# Altium PCB spd150.PcbDoc (part 12 of 16) (continued)
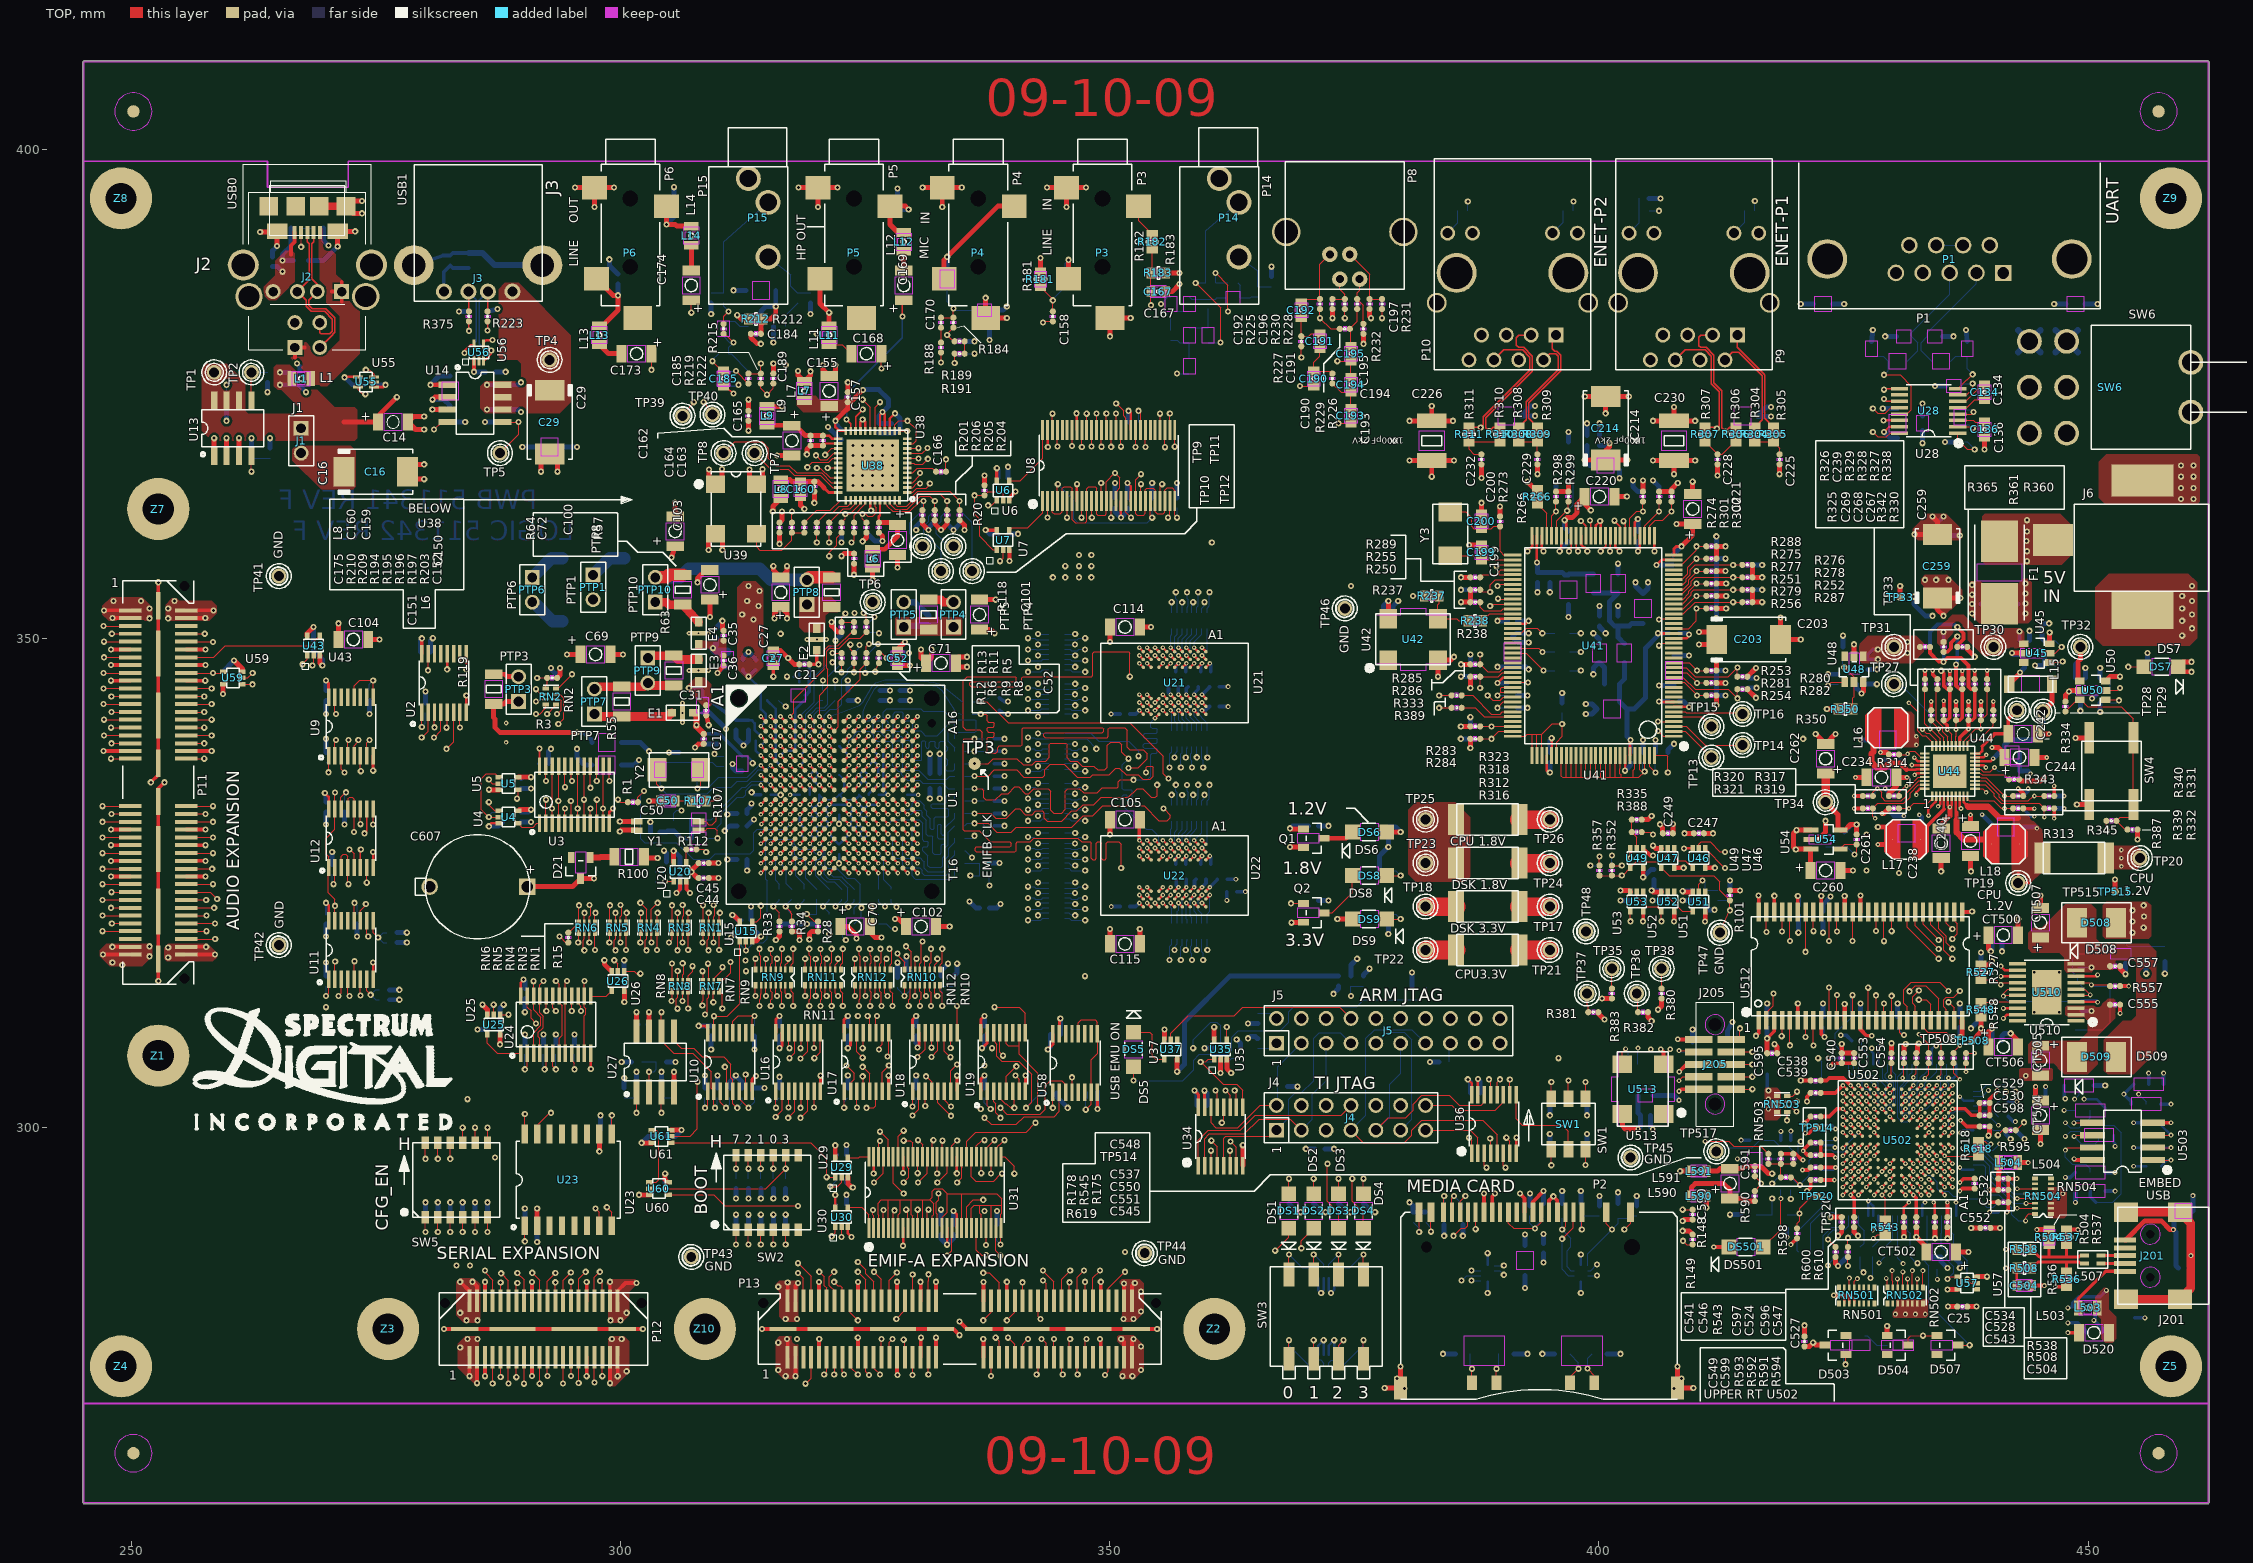
[diagram p0: TOP view]
## Nets (pads, with @x,y where several pads share a name; then routed paths per layer and width w, separated by ;. In a path a pad name is that pad's centre, name@x,y a point inside that pad or via, vN(x,y) a via of type N, cw(c..) or ccw(c..) an arc to the next point about the centre after c; other vN are vias at no path point) (continued)
  BOTTOM w0.127: R176.1@365.125,311.658 366.522,311.658 J5.2@367.03,311.15
N21732775: J5.1 R177.1 | length 2.1
  BOTTOM w0.127: R177.1@365.125,308.102 366.522,308.102 J5.1@367.03,308.61
N21789895: R21.2 U8.4 U8.23 | length 17.2
  TOP w0.127: U8.4@344.637,364.033 344.637,365.719 v1(344.678,365.76) ; U8.23@354.134,364.033 354.134,362.527 v1(354.33,362.331)
  BOTTOM w0.127: v1(344.678,365.76) 346.329,364.109 346.329,362.204 346.71,361.823 353.822,361.823 v1(354.33,362.331) R21.2@354.33,363.347
N22368085: C159.1 C160.1 L8.1 U38.36 | length 6.4
  TOP w0.305: 320.802,365.379 321.264,364.917 U38.36@322.224,364.917
  TOP w0.508: L8.1@316.357,366.217 317.297,366.217 317.5,366.014 C160.1@318.389,366.014 C159.1@319.786,366.014 320.167,366.014 320.802,365.379
N22369565: C162.1 C163.1 C164.1 L9.1 U38.25 | length 7.8
  TOP w0.279: C163.1@320.675,370.713 321.31,370.713 321.61,370.413 U38.25@322.224,370.413
  TOP w0.508: L9.1@314.96,371.78 317.449,371.78 C162.1@317.5,371.729 317.881,371.729 318.897,370.713 C164.1@319.405,370.713 C163.1@320.675,370.713
N34863621: L13.2 P6.2 R192.1 | length 8.1
  TOP w0.508: P6.2@297.51,386.753 297.523,386.753 299.212,385.064 v1(299.72,385.064) 299.72,383.54 298.145,381.965 L13.2@297.815,381.965
  BOTTOM w0.508: v1(299.72,385.064) R192.1@299.72,386.207
N34863623: C173.2 L13.1 | length 2.7
  TOP w0.508: L13.1@297.815,380.035 298.755,379.095 C173.2@300.101,379.095
N34863643: C174.2 L14.1 | length 2.6
  TOP w0.508: C174.2@307.213,387.604 L14.1@307.213,390.195
N34877889: C168.2 L11.1 | length 2.7
  TOP w0.127: L11.1@321.31,380.035 322.656,380.035 C168.2@323.596,379.095
N34877903: C169.2 L12.1 | length 2
  TOP w0.508: C169.2@328.93,387.604 L12.1@328.93,389.56
N34879314: L12.2 P5.3 R186.1 | length 6.8
  TOP w0.508: L12.2@328.93,391.49 328.346,391.49 327.533,392.303 P5.3@327.533,394.17 329.095,394.17 v1(329.438,393.827)
  BOTTOM w0.508: R186.1@328.295,393.827 v1(329.438,393.827)
N34879340: L11.2 P5.2 R185.1 | length 6.3
  TOP w0.508: P5.2@320.37,386.753 320.37,384.226 v1(321.31,383.286) L11.2@321.31,381.965
  BOTTOM w0.508: R185.1@321.31,382.143 v1(321.31,383.286)
N34884668: C150.1 C152.1 L6.2 U38.44 | length 8.6
  TOP w0.254: C152.1@326.39,361.823 326.39,362.471 326.504,362.585 U38.44@326.504,364.134
  TOP w0.508: L6.2@325.755,359.105 326.974,359.105 328.295,360.426 C150.1@328.295,361.569 328.041,361.823 C152.1@326.39,361.823
N34901850: C158.1 C161.1 R180.2 R181.1 | length 6.8
  TOP w0.127: R181.1@342.9,385.953 344.17,384.683 v1(344.17,384.556) C158.1@344.17,383.413
  BOTTOM w0.127: C161.1@342.9,385.953 v1@344.17,384.683 ; v1(344.17,384.556) v1@344.17,384.683 ; R180.2@345.44,385.953 v1@344.17,384.683
N34901866: C158.2 U38.3 | length 26.1
  TOP w0.127: U38.3@329.286,365.915 329.847,365.915 330.581,366.649 v1(330.581,366.903) ; v1(343.154,382.27) 343.281,382.397 C158.2@344.17,382.397
  LYR3-SIG w0.127: v1(330.581,366.903) 329.819,366.903 328.93,367.792 328.93,369.443 341.757,382.27 v1(343.154,382.27)
N34902718: C166.1 C167.1 R182.2 R183.1 | length 34.5
  TOP w0.127: C166.1@333.248,367.03 v1(333.248,368.3) ; v1(354.203,384.048) C167.1@354.203,385.445 R183.1@354.203,387.35 354.33,387.477 R182.2@354.33,389.763
  LYR3-SIG w0.127: v1(333.248,368.3) 333.375,368.3 349.123,384.048 v1(354.203,384.048)
N34902945: C166.2 U38.5 | length 3.3
  TOP w0.127: U38.5@329.286,366.916 329.832,366.916 330.327,367.411 331.851,367.411 C166.2@332.232,367.03
N34912845: C172.1 R184.2 R189.1 | length 3.1
  TOP w0.127: R184.2@334.01,381.762 333.375,381.127 v1(333.375,381) 334.01,380.365 R189.1@334.137,380.365
  BOTTOM w0.127: v1(333.375,381) 334.01,380.365 C172.1@334.137,380.365
N34912877: R189.2 R191.1 | length 1.3
  TOP w0.127: R191.1@335.153,379.095 R189.2@335.153,380.365
N34913123: C170.2 R188.1 | length 1.5
  TOP w0.127: R188.1@332.74,380.238 C170.2@332.74,381.762
N167545211: DS1.2 R144.2 | length 3.1
  TOP w0.127: DS1.2@368.3,293.218 v1(368.3,294.767)
  BOTTOM w0.127: R144.2@368.3,293.243 v1(368.3,294.767)
N167545370: DS3.2 R146.2 | length 3.1
  TOP w0.127: DS3.2@373.38,293.218 v1(373.38,294.767)
  BOTTOM w0.127: R146.2@373.38,293.243 v1(373.38,294.767)
N167545530: DS4.2 R147.2 | length 3.1
  TOP w0.127: DS4.2@375.92,293.218 v1(375.92,294.767)
  BOTTOM w0.127: R147.2@375.92,293.243 v1(375.92,294.767)
N167546730: DS2.2 R145.2 | length 3.1
  TOP w0.127: DS2.2@370.84,293.218 v1(370.84,294.767)
  BOTTOM w0.127: R145.2@370.84,293.243 v1(370.84,294.767)
ODEMU0N: TP518.1 U511.75 | length 6.4
  BOTTOM w0.102: 422.783,291.338 423.926,291.338 424.307,290.957 U511.75@424.525,290.957
  BOTTOM w0.127: TP518.1@421.64,287.274 421.64,290.195 422.783,291.338
ODEMU1N: TP519.1 U511.74 | length 5.1
  BOTTOM w0.127: TP519.1@422.91,287.274 422.91,288.925 423.799,289.814 424.645,289.814 425.026,290.195 U511.74@425.026,290.957
ON_BD_OFF_BD: R384.1 SW5.9 U19.14 U59.1 | length 136.2
  TOP w0.127: U59.1@261.341,345.298 v1(262.367,345.298) ; SW5.9@283.845,298.45 v1(283.845,299.974) ; U19.14@338.115,309.692 338.115,308.864 338.455,308.524 338.455,307.269 338.582,307.142 338.582,307.129 338.879,306.832 338.892,306.832 338.963,306.761 340.685,306.761 342.011,305.435 342.011,302.6 v1(341.417,302.006)
  LYR4-SIG w0.127: v1(262.367,345.298) 264.384,343.281 274.955,343.281 275.844,342.392 275.844,334.264 282.067,328.041 282.067,309.372 283.083,308.356 283.083,300.736 v1(283.845,299.974)
  LYR7-SIG w0.127: v1(283.845,299.974) 284.734,299.085 303.276,299.085 304.165,298.196 319.786,298.196 321.945,300.355 339.766,300.355 v1(341.417,302.006)
  BOTTOM w0.127: v1(341.417,302.006) 342.941,303.53 R384.1@343.535,303.53
ON_BD_USB_DRV: R62.2 U14.4 U19.4 U19.6 | length 137.3
  TOP w0.127: v1(280.924,371.348) 281.686,372.11 U14.4@282.321,372.11 ; U19.4@338.765,303.718 338.765,302.966 339.288,302.443 339.415,302.443 339.852,302.006 v1(340.233,302.006) 340.233,302.768 340.065,302.936 U19.6@340.065,303.718
  LYR4-SIG w0.127: v1(280.924,371.348) 276.606,367.03 276.606,335.28 282.829,329.057 282.829,310.896 284.353,309.372 v1(284.353,302.895)
  LYR7-SIG w0.127: v1(284.353,302.895) 339.344,302.895 v1(340.233,302.006)
  BOTTOM w0.127: v1(280.924,371.348) 281.686,372.11 R62.2@282.067,372.11
ON_BD_USB_OVC: R61.2 TP5.1 U14.5 U19.10 U19.12 | length 157.5
  TOP w0.127: TP5.1@287.655,368.935 289.56,370.84 v1(289.56,372.11) U14.5@287.909,372.11 ; U19.12@339.415,309.692 339.415,308.539 339.598,308.356 340.716,308.356 ; U19.10@340.716,309.692 340.716,308.356 ; v1(342.646,302.006) 342.646,305.562 340.716,307.492 340.716,308.356
  LYR4-SIG w0.127: v1(287.147,296.926) 287.147,307.086 286.258,307.975 286.258,310.769 283.591,313.436 283.591,331.216 277.241,337.566 277.241,358.521 TP5.1@287.655,368.935
  LYR7-SIG w0.127: v1(287.147,296.926) 339.979,296.926 341.249,298.196 341.249,300.609 v1(342.646,302.006)
  BOTTOM w0.127: R61.2@288.163,372.11 v1(289.56,372.11)
P1ANEN: R261.2 R278.1 U41.30 | length 8.9
  TOP w0.127: U41.30@407.645,354.505 408.48,354.505 409.448,355.473 409.448,355.854 409.829,356.235 v1(413.715,356.235) R278.1@414.655,356.235
  BOTTOM w0.127: v1(413.715,356.235) R261.2@414.655,356.235
P1DPX: R259.2 R276.1 U41.32 | length 9.2
  TOP w0.127: U41.32@407.645,355.506 408.592,355.506 408.94,355.854 408.94,356.108 409.321,356.489 409.321,356.997 409.829,357.505 v1(413.715,357.505) R276.1@414.655,357.505
  BOTTOM w0.127: v1(413.715,357.505) R259.2@414.655,357.505
P1FFC: R258.2 R275.1 U41.33 | length 5.6
  TOP w0.127: U41.33@407.645,356.006 408.457,356.006 409.067,356.616 409.067,357.251 v1(409.956,358.14) R275.1@410.972,358.14
  BOTTOM w0.127: v1(409.956,358.14) R258.2@410.972,358.14
P1LED2: P9.10 R235.1 | length 2.7
  BOTTOM w0.127: P9.10@413.791,391.414 414.909,392.532 R235.1@414.909,393.7
P1LED3: P9.12 R233.2 R234.1 | length 4
  BOTTOM w0.127: P9.12@403.073,391.414 404.114,392.455 R234.1@404.114,393.7 R233.2@404.114,394.97
P1SPD: R260.2 R277.1 U41.31 | length 5.4
  TOP w0.127: U41.31@407.645,355.006 408.6,355.006 409.194,355.6 409.194,355.981 409.956,356.743 v1(409.956,356.87) R277.1@410.972,356.87
  BOTTOM w0.127: v1(409.956,356.87) R260.2@410.972,356.87
P2ANEN: R265.2 R282.1 U41.13 | length 9.3
  TOP w0.127: U41.13@407.645,345.996 408.638,345.996 409.829,344.805 413.207,344.805 v1(414.147,343.865) R282.1@414.147,344.805
  BOTTOM w0.127: v1(414.147,343.865) R265.2@414.147,344.805
P2DPX: R263.2 R280.1 U41.15 | length 9.2
  TOP w0.127: U41.15@407.645,346.997 408.907,346.997 409.829,346.075 413.207,346.075 v1(414.147,347.015) R280.1@414.147,346.075
  BOTTOM w0.127: R263.2@414.147,346.075 v1(414.147,347.015)
P2FFC: R246.2 R253.1 U41.16 | length 4.6
  TOP w0.127: U41.16@407.645,347.497 409.245,347.497 v1(410.032,346.71) R253.1@410.972,346.71
  BOTTOM w0.127: v1(410.032,346.71) R246.2@410.972,346.71
P2LED2: P10.10 R240.1 | length 2.7
  BOTTOM w0.127: P10.10@395.249,391.414 396.367,392.532 R240.1@396.367,393.7
P2LED3: P10.12 R239.1 | length 2.7
  BOTTOM w0.127: P10.12@384.531,391.414 385.572,392.455 R239.1@385.572,393.7
P2MDIX: R244.2 R251.1 U41.29 | length 5.2
  TOP w0.127: U41.29@407.645,354.005 408.615,354.005 409.194,354.584 409.194,354.838 v1(409.956,355.6) R251.1@410.972,355.6
  BOTTOM w0.127: v1(409.956,355.6) R244.2@410.972,355.6
P2MDIXDIS: R245.2 R252.1 U41.28 | length 8.7
  TOP w0.127: U41.28@407.645,353.505 408.495,353.505 409.448,354.457 409.448,354.711 409.702,354.965 v1(413.715,354.965) R252.1@414.655,354.965
  BOTTOM w0.127: v1(413.715,354.965) R245.2@414.655,354.965
P2SPD: R264.2 R281.1 U41.14 | length 4.7
  TOP w0.127: U41.14@407.645,346.497 408.976,346.497 v1(410.032,345.44) R281.1@410.972,345.44
  BOTTOM w0.127: v1(410.032,345.44) R264.2@410.972,345.44
PB_RESET: R334.1 R345.1 R387.2 SW4.B SW4.B1 U50.3 | length 21.6
  TOP w0.127: R334.1@447.675,342.519 448.884,343.728 U50.3@449.148,343.728 449.26,343.728 449.961,343.027 453.39,343.027 454.635,341.782 SW4.B1@454.635,339.827 SW4.B@454.635,333.019 454.635,331.953 454.406,331.724 453.263,331.724 R345.1@452.882,331.343 453.771,330.454 R387.2@454.025,330.454
PONRSINN: R619.1 R620.1 U511.85 | length 6.9
  TOP w0.127: R619.1@419.608,294.894 419.771,294.894 v1(420.533,294.132)
  BOTTOM w0.127: R620.1@419.608,294.894 420.37,294.132 v1(420.533,294.132) 421.513,295.112 421.513,296.672 422.044,297.203 U511.85@422.783,297.203
PONRSNIN: R178.1 R358.1 | length 41.4
  TOP w0.127: v3(410.845,298.577) 413.258,298.577 413.766,298.069 416.56,298.069 R178.1@417.322,297.307
  LYR8-SIG w0.127: v1(399.11,326.771) 399.11,321.488 404.838,315.76 404.838,306.108 407.708,303.238 408.374,303.238 410.845,300.766 v3(410.845,298.577)
  BOTTOM w0.127: v1(399.11,326.771) R358.1@400.05,326.771
PU_USB: R538.1 U502.C1 | length 11.7
  TOP w0.254: U502.C1@435.732,295.102 v2(436.131,294.701) ; v4(441.579,287.528) R538.1@442.722,287.528
  LYR4-SIG w0.102: v2(436.131,294.701) 436.486,294.345 436.486,294.221 436.715,293.992 437.655,293.992 438.277,293.37
  LYR4-SIG w0.127: 438.277,293.37 438.912,292.735 438.912,290.195 v4(441.579,287.528)
PUTMS: R614.2 U511.7 | length 2.7
  BOTTOM w0.127: R614.2@426.847,308.864 426.847,308.102 427.528,307.421 U511.7@427.528,306.451
READY: R616.2 U502.H1 U511.32 | length 8
  TOP w0.254: U502.H1@435.732,299.105 v2(436.131,299.504)
  BOTTOM w0.102: v2(436.131,299.504) 435.737,299.898 435.737,301.269 435.966,301.498 436.283,301.498 436.491,301.706 U511.32@438.277,301.706
  BOTTOM w0.127: U511.32@438.277,301.706 440.228,301.706 R616.2@440.817,301.117
RMII_CRS_DV: R5.2 U1.A7 | length 12.6
  TOP w0.102: v2(320.327,342.016) 320.327,342.519
  TOP w0.127: 320.327,342.519 320.327,344.203 321.183,345.059 321.183,346.837 321.056,346.964 321.056,348.666 321.386,348.996 322.326,348.996 323.342,350.012 324.485,350.012 R5.2@325.12,350.647
  TOP w0.254: v2(320.327,342.016) U1.A7@320.827,341.516
RMII_MDIO_CLK: R14.2 U1.A6 | length 8
  TOP w0.254: v2(319.326,342.016) U1.A6@319.827,341.516
  BOTTOM w0.102: v2(319.326,342.016) 319.326,342.186 319.659,342.519
  BOTTOM w0.127: 319.659,342.519 320.04,342.9 320.802,342.9 321.183,343.281 321.183,346.075 R14.2@322.58,347.472
RMII_MDIO_D: R12.2 U1.B6 | length 8.5
  TOP w0.127: v1(322.58,346.532) R12.2@322.58,347.472
  TOP w0.254: v2(319.326,341.015) U1.B6@319.827,340.515
  LYR4-SIG w0.102: v2(319.326,341.015) 319.913,341.602 319.913,342.392
  LYR4-SIG w0.127: 319.913,342.392 319.913,342.773 322.58,345.44 v1(322.58,346.532)
RMII_MHZ_50: R11.2 U1.A4 | length 12.7
  TOP w0.127: v2(317.325,342.016) 317.69,342.382 317.69,343.726 320.802,346.837 320.802,348.793 321.259,349.25 322.199,349.25 323.596,350.647 R11.2@323.85,350.647
  TOP w0.254: v2(317.325,342.016) U1.A4@317.825,341.516
RMII_RXD[0]: R6.2 U1.B7 | length 8.7
  TOP w0.127: v1(323.85,346.532) R6.2@323.85,347.472
  TOP w0.254: v2(320.327,341.015) U1.B7@320.827,340.515
  LYR4-SIG w0.102: v2(320.327,341.015) 320.441,341.015 320.802,341.376 320.802,342.519
  LYR4-SIG w0.127: 320.802,342.519 323.85,345.567 v1(323.85,346.532)
RMII_RXD[1]: R7.2 U1.C7 | length 10
  TOP w0.254: v2(320.327,340.015) U1.C7@320.827,339.514
  BOTTOM w0.102: v2(320.327,340.015) 320.327,340.393 320.802,340.868 320.802,342.138 321.183,342.519
  BOTTOM w0.127: 321.183,342.519 321.437,342.773 322.072,342.773 322.58,343.281 322.58,345.796 323.215,346.431 323.215,346.837 R7.2@323.85,347.472
RMII_RXER: R4.2 U1.D7 | length 16.7
  TOP w0.254: v2(320.327,339.014) U1.D7@320.827,338.513
  LYR4-SIG w0.102: v2(320.327,339.014) 320.802,339.489 320.802,340.233 321.056,340.487 321.437,340.487 322.326,341.376 322.326,342.519
  LYR4-SIG w0.127: 322.326,342.519 322.326,343.662 324.485,345.821 324.485,346.71 326.898,349.123 326.898,350.012 v1(326.39,350.52)
  BOTTOM w0.127: R4.2@325.12,350.647 326.136,350.647 326.263,350.52 v1(326.39,350.52)
RMII_TXD[0]: R9.2 U1.B8 | length 9
  TOP w0.102: U1.B8@321.828,340.515 322.25,340.937 322.25,342.443
  TOP w0.127: 322.25,342.443 322.25,343.586 324.485,345.821 324.485,346.837 R9.2@325.12,347.472
  TOP w0.254: v2(321.328,341.015) U1.B8@321.828,340.515
RMII_TXD[1]: R10.2 U1.C8 | length 9.8
  TOP w0.254: v2(321.328,340.015) U1.C8@321.828,339.514
  LYR4-SIG w0.102: v2(321.328,340.015) 321.473,340.015 322.58,341.122 322.58,342.519
  LYR4-SIG w0.127: 322.58,342.519 322.58,343.408 324.993,345.821 v1(324.993,346.456)
  BOTTOM w0.127: v1(324.993,346.456) R10.2@325.12,347.472
RMII_TXEN: R8.2 U1.D8 | length 11.2
  TOP w0.127: v1(326.009,346.583) R8.2@326.39,347.472
  TOP w0.254: v2(321.328,339.014) U1.D8@321.828,338.513
  LYR4-SIG w0.102: v2(321.328,339.014) 322.834,340.52 322.834,342.519
  LYR4-SIG w0.127: 322.834,342.519 322.834,343.281 326.009,346.456 v1(326.009,346.583)
ROM_SPI0_CLK: R133.1 U23.16 U24.2 | length 9.9
  TOP w0.127: U23.16@290.195,299.339 v1(290.195,301.371) ; v1(290.195,305.943) 290.449,306.197 290.449,307.589 U24.2@290.444,307.594
  LYR4-SIG w0.127: v1(290.195,301.371) v1(290.195,305.943)
  BOTTOM w0.127: v1(290.195,305.943) R133.1@290.195,307.467
ROM_SPI0_CS0: R136.1 U23.7 U24.9 | length 20.3
  TOP w0.127: U24.9@294.996,307.594 294.996,306.857 295.275,306.578 v1(295.275,305.943) ; v1(297.434,291.719) 297.815,291.338 U23.7@297.815,289.941
  LYR4-SIG w0.127: v1(295.275,305.943) 295.275,293.878 v1(297.434,291.719)
  BOTTOM w0.127: v1(295.275,305.943) R136.1@295.275,307.467
ROM_SPI0_SIMO: R135.1 U23.15 U24.6 | length 10.8
  TOP w0.127: U23.15@291.465,299.339 291.465,300.228 292.735,301.498 v1(292.862,301.498) ; U24.6@293.045,307.594 293.045,306.268 v1(293.37,305.943)
  LYR4-SIG w0.127: v1(292.862,301.498) 293.37,302.006 v1(293.37,305.943)
  BOTTOM w0.127: v1(293.37,305.943) R135.1@293.37,307.467
ROM_SPI0_SOMI: R134.1 U23.8 U24.5 | length 24.1
  TOP w0.127: v1(292.227,305.943) 292.395,306.111 U24.5@292.395,307.594 ; v1(298.577,291.846) 299.085,291.338 U23.8@299.085,289.941
  LYR4-SIG w0.127: v1(292.227,305.943) 292.227,295.91 297.053,291.084 297.815,291.084 v1(298.577,291.846)
  BOTTOM w0.127: R134.1@292.1,307.467 292.1,306.07 v1(292.227,305.943)
RTCINX1: RN501.14 U502.A12 | length 10.8
  TOP w0.127: RN501.14@425.592,283.642 v3(425.592,284.607)
  TOP w0.254: v2(426.527,293.101) U502.A12@426.928,293.502
  LYR4-SIG w0.102: v2(426.527,293.101) 426.527,291.658 426.974,291.211 426.974,290.957
  LYR4-SIG w0.127: v3(425.592,284.607) 425.958,284.973 425.958,287.528 426.974,288.544 426.974,290.957
RXM1: P9.6 R307.2 U41.46 | length 31.5
  TOP w0.132: v1(401.574,362.026) 401.574,362.001 402.168,361.406 U41.46@402.168,360.477 ; P9.6@407.797,378.46 408.813,379.476 410.845,379.476 411.48,378.841 411.48,376.034 412.305,375.209 412.305,371.716 v1(412.039,371.45) 411.886,371.602 R307.2@410.845,371.602
  LYR4-SIG w0.132: v1(401.574,362.026) 401.602,362.026 401.937,362.361 401.937,362.928 402.775,363.766 404.277,363.766 406.527,366.017 406.527,367.566 408.78,369.819 411.124,369.819 412.242,370.937 412.242,371.221 412.039,371.424 v1(412.039,371.45)
RXM2: P10.6 R311.2 U41.52 | length 35.3
  TOP w0.132: R311.2@386.715,371.602 387.858,371.602 v1(387.909,371.551) 388.175,371.818 388.175,372.636 392.938,377.398 392.938,378.734 392.196,379.476 390.271,379.476 P10.6@389.255,378.46 ; v1(399.085,362.052) 399.164,361.973 U41.52@399.164,360.477
  LYR4-SIG w0.132: v1(387.909,371.551) 388.361,371.551 388.772,371.963 394.947,371.963 396.24,370.67 396.24,368.92 398.64,366.519 398.64,362.852 398.78,362.712 398.78,362.356 v1(399.085,362.052)
RXP1: P9.3 R306.2 U41.45 | length 31.6
  TOP w0.132: v1(402.514,361.975) 402.669,361.82 U41.45@402.669,360.477 ; P9.3@411.607,381 410.413,381 410.21,380.797 410.21,379.933 410.413,379.73 410.952,379.73 411.734,378.948 411.734,376.141 412.559,375.315 412.559,371.513 v1(412.928,371.145) 413.385,371.602 R306.2@414.02,371.602
  LYR4-SIG w0.132: v1(402.514,361.975) 402.425,361.975 402.196,362.204 402.196,362.826 402.882,363.512 404.383,363.512 406.781,365.91 406.781,367.459 408.887,369.565 411.231,369.565 412.496,370.83 412.496,370.891 412.75,371.145 v1(412.928,371.145)
RXP2: P10.3 R310.2 U41.53 | length 35.2
  TOP w0.132: R310.2@389.89,371.602 389.204,371.602 v1(388.772,371.17) 388.429,371.513 388.429,372.529 393.192,377.292 393.192,378.841 392.303,379.73 391.795,379.73 391.541,379.984 391.541,380.746 391.795,381 P10.3@393.065,381 ; v1(398.145,362.001) 398.663,361.483 U41.53@398.663,360.477
  LYR4-SIG w0.132: v1(388.772,371.17) 388.772,371.462 389.019,371.709 394.84,371.709 395.986,370.563 395.986,368.813 398.386,366.413 398.386,362.745 398.485,362.646 398.485,362.204 398.282,362.001 v1(398.145,362.001)
S0_A1: JP509.2 U503.2 | length 2.9
  TOP w0.127: U503.2@456.603,297.942 v3(458.47,297.942)
  BOTTOM w0.254: JP509.2@457.454,297.942 v3(458.47,297.942)
SCK_SCL: JP506.2 U503.6 | length 5.4
  TOP w0.127: v3(448.564,299.085) 448.691,299.212 U503.6@450.431,299.212
  BOTTOM w0.127: v3(448.564,299.085) 448.564,299.075 449.316,298.323 450.723,298.323 451.104,298.704 JP506.2@451.104,299.212
SCL: JP506.3 RN503.5 U502.H14 | length 34.9
  TOP w0.127: v1(419.227,300.736) 419.24,300.749 RN503.5@419.24,301.564
  TOP w0.254: v2(424.927,299.504) U502.H14@425.328,299.105
  LYR3-SIG w0.102: 422.783,299.339 424.762,299.339 v2(424.927,299.504)
  LYR3-SIG w0.127: v1(419.227,300.736) 420.091,299.872 422.25,299.872 422.783,299.339
  LYR7-SIG w0.102: v2(424.927,299.504) 425.031,299.504 425.704,298.831 428.244,298.831 430.367,296.708 438.277,296.708
  LYR7-SIG w0.127: 438.277,296.708 440.525,296.708 441.325,297.508 446.098,297.508 v3(447.675,299.085)
  BOTTOM w0.127: v3(447.675,299.085) 448.226,299.636 449.156,299.636 JP506.3@449.58,299.212
SDA: JP507.3 RN503.6 U502.H13 | length 34.3
  TOP w0.127: RN503.6@419.24,302.138 419.603,302.138 420.116,301.625 v1(420.192,301.625)
  TOP w0.254: v2(425.727,299.504) U502.H13@426.128,299.105
  LYR3-SIG w0.102: 422.783,300.355 424.307,300.355 424.764,299.898 425.333,299.898 v2(425.727,299.504) 425.793,299.504 426.466,298.831 426.956,298.831 427.733,298.054 427.733,297.736 427.975,297.495 431.226,297.495 432.229,298.498 437.944,298.498 438.277,298.831
  LYR3-SIG w0.127: v1(420.192,301.625) 420.751,301.625 422.021,300.355 422.783,300.355 ; 438.277,298.831 439.166,299.72 441.071,299.72 441.452,300.101 441.452,300.863 442.341,301.752 v3(447.548,301.752)
  BOTTOM w0.127: v3(447.548,301.752) JP507.3@448.691,301.752
SDCAS: R593.1 U512.17 | length 8.9
  TOP w0.127: U512.17@429.12,310.947 v1(429.12,312.661) ; v2(432.689,309.524) 433.705,308.508 R593.1@433.705,307.594
  LYR3-SIG w0.127: v1(429.12,312.661) 429.387,312.395 429.387,312.377 431.048,310.716 431.048,310.713 432.237,309.524 v2(432.689,309.524)
SDRAMCEN: R595.2 R613.1 U512.19 | length 22.3
  TOP w0.127: U512.19@430.72,310.947 430.72,309.682 430.954,309.448 v1(431.168,309.448) ; R595.2@442.595,299.72 442.646,299.72 v1(443.459,300.533)
  LYR7-SIG w0.102: 434.038,306.578 438.277,306.578
  LYR7-SIG w0.127: v1(431.168,309.448) 432.181,308.435 432.181,307.848 433.451,306.578 434.038,306.578 ; 438.277,306.578 440.563,306.578 443.459,303.682 v1(443.459,300.533)
  BOTTOM w0.127: R613.1@430.53,310.261 430.53,310.109 431.168,309.471 v1(431.168,309.448)
SDRAS: R594.1 U512.18 | length 14.8
  TOP w0.127: U512.18@429.92,310.947 v1(429.92,313.461) ; R594.1@437.515,307.594 v2(438.404,307.594)
  LYR3-SIG w0.127: v1(429.92,313.461) 429.92,312.565 432.224,310.261 434.086,310.261 436.753,307.594 v2(438.404,307.594)
SDWE: R592.1 U512.16 | length 12.9
  TOP w0.127: U512.16@428.32,310.947 v1(428.32,313.512) ; v2(434.467,309.245) 434.975,308.737 R592.1@434.975,307.594
  LYR3-SIG w0.127: v1(428.32,313.512) 428.32,312.743 430.601,310.462 430.914,310.462 432.283,309.093 434.315,309.093 v2(434.467,309.245)
SEL_ENETN_MCASP0: P11.8 R20.1 SW5.12 U6.2 U7.1 | length 165.2
  TOP w0.127: P11.8@255.6,350.469 v1(257.48,350.469) ; v1(280.035,296.799) SW5.12@280.035,298.45 ; U7.1@338.44,359.054 338.049,359.054 336.677,360.426 336.677,362.179 336.169,362.687 v1(336.169,364.617) R20.1@337.185,364.617 337.566,364.998 338.836,364.998 339.09,364.744 U6.2@339.09,364.134
  LYR4-SIG w0.127: v1(257.48,350.469) 258.75,350.469 259.969,349.25 259.969,343.154 270.002,333.121 273.431,333.121 276.479,330.073 276.479,310.434 280.035,306.878 v1(280.035,296.799)
  LYR7-SIG w0.127: v1(257.48,350.469) 272.644,365.633 321.691,365.633 322.707,364.617 v1(336.169,364.617)
SEL_EXP2_QEP0: P12.25 R137.1 U25.2 U26.1 | length 75.6
  TOP w0.127: U25.2@287.02,311.506 v1(287.02,312.547) ; v1(294.107,273.837) P12.25@294.107,276.53 ; U26.1@300.37,315.951 301.396,315.951 301.625,315.722 v1(302.006,315.722)
  LYR4-SIG w0.127: v1(287.02,312.547) 287.02,308.102 287.782,307.34 287.782,289.052 291.465,285.369 291.465,283.591 285.496,277.622 285.496,274.447 286.639,273.304 293.573,273.304 v1(294.107,273.837)
  LYR7-SIG w0.127: v1(287.02,312.547) 287.02,313.055 288.29,314.325 300.609,314.325 v1(302.006,315.722)
  BOTTOM w0.127: R137.1@286.385,311.023 286.385,311.912 v1(287.02,312.547)
SEL_EXP2_QEP1: P12.26 R18.1 U2.1 | length 73.1
  TOP w0.127: v1(279.664,340.929) U2.1@279.664,342.453 ; P12.26@294.107,282.27 294.107,284.378 v1(294.894,285.166)
  LYR4-SIG w0.127: v1(279.664,340.929) 280.416,340.177 280.416,339.641 280.713,339.344 282.278,339.344 285.75,335.872 285.75,335.534 286.233,335.051 286.741,335.051 288.29,333.502 288.29,322.707 295.656,315.341 295.656,314.706 297.498,312.864 297.498,305.498 298.45,304.546 298.45,294.259 299.085,293.624 299.085,289.357 v1(294.894,285.166)
  BOTTOM w0.127: v1(279.664,340.929) 280.035,341.3 R18.1@280.035,342.392
SEL_EXP2_TIMER: P12.35 R47.1 SW5.11 U10.1 | length 69.4
  TOP w0.127: v1(281.305,296.799) SW5.11@281.305,298.45 ; v1(298.12,274.574) P12.35@298.12,276.53 ; v1(308.61,302.006) 308.62,302.006 308.874,302.26 U10.1@308.874,303.718
  LYR4-SIG w0.127: v1(298.12,274.574) 302.438,278.892 302.471,278.892 305.069,281.49 305.069,297.576 308.61,301.117 v1(308.61,302.006)
  LYR7-SIG w0.127: v1(281.305,296.799) 281.305,299.466 283.972,302.133 299.72,302.133 299.847,302.006 v1(308.61,302.006)
  BOTTOM w0.127: v1(308.61,302.006) R47.1@308.61,303.022
SEL_EXP2_UART1: P12.34 R46.1 SW5.10 U9.1 | length 74.2
  TOP w0.127: v1(270.139,336.306) U9.1@270.139,338.008 ; v1(282.575,296.799) SW5.10@282.575,298.45 ; P12.34@297.307,282.27 297.307,284.683 v1(297.866,285.242)
  LYR4-SIG w0.127: v1(270.139,336.306) 271.419,335.026 272.288,335.026 277.114,330.2 277.114,316.357 278.13,315.341 278.13,309.651 280.746,307.035 280.746,298.628 v1(282.575,296.799)
  LYR8-SIG w0.127: v1(282.575,296.799) 285.75,293.624 291.719,293.624 297.866,287.477 v1(297.866,285.242)
  BOTTOM w0.127: R46.1@269.875,337.312 270.139,337.048 v1(270.139,336.306)
SEL_SPI1_EXP1: P11.73 R51.1 U12.14 | length 40.4
  TOP w0.127: v1(247.015,320.065) P11.73@249.86,320.065 ; U12.14@271.44,332.552 271.399,332.593 271.399,333.756 v1(271.907,334.264)
  LYR8-SIG w0.127: v1(247.015,320.065) 248.666,320.065 252.222,323.621 252.222,329.946 255.651,333.375 271.145,333.375 271.907,334.137 v1(271.907,334.264)
  BOTTOM w0.127: R51.1@271.78,333.248 271.78,334.137 v1(271.907,334.264)
SEL_SPI1_EXP2: P12.20 R50.1 U12.2 | length 63.5
  TOP w0.127: v1(270.637,324.866) 270.789,325.018 U12.2@270.789,326.578 ; v1(290.957,285.14) 291.719,284.378 P12.20@291.719,282.27
  LYR3-SIG w0.127: v1(269.875,312.293) 269.24,312.928 269.24,323.469 v1(270.637,324.866)
  LYR4-SIG w0.127: v1(269.875,312.293) 269.875,295.94 282.989,282.826 289.049,282.826 290.322,284.099 290.322,284.505 v1(290.957,285.14)
  BOTTOM w0.127: R50.1@270.51,325.882 270.51,324.993 v1(270.637,324.866)
SEL_SPI1_EXP2_B: P12.33 R49.1 U11.1 | length 60.5
  TOP w0.127: v1(269.875,313.436) 270.139,313.7 U11.1@270.139,315.148 ; v1(297.307,273.939) P12.33@297.307,276.53
  LYR8-SIG w0.127: v1(269.875,313.436) 269.24,312.801 269.24,296.926 284.226,281.94 286.004,281.94 291.465,276.479 295.91,276.479 297.307,275.082 v1(297.307,273.939)
  BOTTOM w0.127: v1(269.875,313.436) R49.1@269.875,314.452
SIN_SDA: JP507.2 U503.5 | length 4.5
  TOP w0.127: v3(448.551,300.462) 448.572,300.482 U503.5@450.431,300.482
  BOTTOM w0.127: v3(448.551,300.462) 448.826,300.736 449.961,300.736 450.215,300.99 JP507.2@450.215,301.752
SPI0_SCSN: R24.2 R27.1 R28.1 U24.8 U24.17 | length 44.3
  TOP w0.127: U24.8@294.345,307.594 U24.17@294.345,313.436 294.345,314.792 v1(294.513,314.96) ; v1(319.024,321.818) 319.786,321.056 R28.1@320.167,321.056
  LYR8-SIG w0.127: v1(294.513,314.96) 295.021,315.468 296.545,315.468 300.99,311.023 306.829,311.023 307.655,311.849 307.655,312.588 309.138,314.071 310.388,314.071 312.252,315.935 312.252,318.254 314.165,320.167 317.373,320.167 v1(319.024,321.818)
  BOTTOM w0.127: v1(319.024,321.818) R24.2@320.04,321.818 R27.1@320.04,323.342
SPI1_SIMO: R37.2 R38.1 RN8.8 U11.7 | length 41.4
  TOP w0.127: U11.7@274.041,315.148 274.041,313.969 v1(274.447,313.563) ; v1(306.893,312.166) RN8.8@306.893,313.931
  LYR7-SIG w0.127: v1(274.447,313.563) 276.225,311.785 287.02,311.785 287.528,312.293 287.528,312.801 288.671,313.944 306.07,313.944 306.893,313.121 v1(306.893,312.166)
  BOTTOM w0.127: R37.2@275.336,313.055 274.955,313.055 v1(274.447,313.563) 274.955,314.071 R38.1@275.336,314.071
SPI1_SOMI: R35.2 R36.1 RN8.7 U11.9 | length 40.6
  TOP w0.127: U11.9@274.691,321.122 274.691,319.923 v1(275.209,319.405) ; v1(306.319,312.933) RN8.7@306.319,313.931
  LYR8-SIG w0.127: v1(275.209,319.405) 278.638,315.976 299.974,315.976 302.641,313.309 303.784,313.309 305.46,311.633 306.045,311.633 306.319,311.907 v1(306.319,312.933)
  BOTTOM w0.127: R35.2@276.098,318.897 275.717,318.897 v1(275.209,319.405) 275.717,319.913 R36.1@276.098,319.913
SPI_HOLD: R131.2 U23.1 | length 2.9
  TOP w0.127: v1(290.195,288.366) U23.1@290.195,289.941
  BOTTOM w0.127: v1(290.195,288.366) R131.2@290.195,289.687
SPI_WP: R132.2 U23.9 | length 3.5
  TOP w0.127: U23.9@299.085,299.339 v1(299.085,301.244)
  BOTTOM w0.127: R132.2@298.958,299.72 298.958,301.117 v1(299.085,301.244)

## Text inside footprints (layer, text, board x,y; h text height)
C238: PIN_NUMBER "1" at 434.569,330.581 h1.02 r270; PIN_NUMBER "2" at 434.569,327.533 h1.02 r270; Top Overlay "+" at 435.102,332.105 h0.89 r270; ASSEMBLY_TOP "10uF" at 434.594,329.946 h1.02 r270; ASSEMBLY_TOP "X" at 434.594,329.057 h1.02 r270; ASSEMBLY_TOP "X" at 434.594,328.041 h1.02 r270; ASSEMBLY_TOP "+" at 434.594,331.978 h1.02 r270; SYMB_DIM "PAD 40X70OV" at 424.79,326.263 h1.02 r270; SYMB_DIM "SM  48X78" at 423.697,327.533 h1.02 r270; SYMB_DIM "SP  40X70OV" at 420.98,326.263 h1.02 r270; SYMB_DIM "C1206-40X70" at 435.712,326.517 h1.02 r270; SYMB_DIM "0" at 431.165,329.692 h1.02 r270; SYMB_DIM "0" at 434.34,333.502 h1.02 r270
C239: PIN_NUMBER "1" at 434.391,344.805 h0.51 r90; PIN_NUMBER "2" at 434.391,345.821 h0.51 r90; ASSEMBLY_TOP "0.001uF" at 434.594,345.313 h0.64 r90; ASSEMBLY_TOP "TOLERANCE" at 437.134,345.313 h0.64 r90; ASSEMBLY_TOP "USERPART#" at 438.404,345.313 h0.64 r90; SYMBOL_PART_DIM "PAD 35X32 OV" at 439.369,342.189 h0.64 r90; SYMBOL_PART_DIM "C402-35X32" at 438.099,342.189 h0.64 r90; SYMBOL_PART_DIM "0" at 436.728,345.11 h0.64 r90; SYMBOL_PART_DIM "0" at 434.924,342.976 h0.64 r90
C240: PIN_NUMBER "1" at 437.566,330.81 h1.02 r270; PIN_NUMBER "2" at 437.566,327.762 h1.02 r270; Top Overlay "+" at 436.753,332.105 h0.89 r270; ASSEMBLY_TOP "10uF" at 437.591,330.175 h1.02 r270; ASSEMBLY_TOP "X" at 437.591,329.286 h1.02 r270; ASSEMBLY_TOP "X" at 437.591,328.27 h1.02 r270; ASSEMBLY_TOP "+" at 437.591,332.207 h1.02 r270; SYMB_DIM "PAD 40X70OV" at 427.787,326.492 h1.02 r270; SYMB_DIM "SM  48X78" at 426.695,327.762 h1.02 r270; SYMB_DIM "SP  40X70OV" at 423.977,326.492 h1.02 r270; SYMB_DIM "C1206-40X70" at 438.709,326.746 h1.02 r270; SYMB_DIM "0" at 434.162,329.921 h1.02 r270; SYMB_DIM "0" at 437.337,333.731 h1.02 r270
C241: PIN_NUMBER "1" at 442.697,330.708 h1.02; PIN_NUMBER "2" at 439.649,330.708 h1.02; SYMB_DIM "PAD 40X70OV" at 434.315,324.993 h1.02; SYMB_DIM "SM  48X78" at 436.397,323.088 h1.02; SYMB_DIM "SP  40X70OV" at 434.315,321.183 h1.02; SYMB_DIM "C1206-40X70" at 434.569,335.915 h1.02; SYMB_DIM "0" at 442.214,326.898 h1.02; SYMB_DIM "0" at 446.024,330.073 h1.02; ASSEMBLY_BOTTOM "22uF" at 442.468,330.327 h1.02; ASSEMBLY_BOTTOM "X" at 441.579,330.327 h1.02; ASSEMBLY_BOTTOM "X" at 440.563,330.327 h1.02
C242: PIN_NUMBER "1" at 441.427,340.233 h1.02; PIN_NUMBER "2" at 444.475,340.233 h1.02; ASSEMBLY_TOP "22uF" at 442.468,339.852 h1.02; ASSEMBLY_TOP "X" at 443.357,339.852 h1.02; ASSEMBLY_TOP "X" at 444.373,339.852 h1.02; SYMB_DIM "PAD 40X70OV" at 441.681,334.518 h1.02; SYMB_DIM "SM  48X78" at 441.223,332.613 h1.02; SYMB_DIM "SP  40X70OV" at 441.681,330.708 h1.02; SYMB_DIM "C1206-40X70" at 441.427,345.44 h1.02; SYMB_DIM "0" at 442.722,336.423 h1.02; SYMB_DIM "0" at 438.912,339.598 h1.02
C243: PIN_NUMBER "1" at 441.173,338.582 h0.51 r180; PIN_NUMBER "2" at 442.697,338.582 h0.51 r180; SYMB_DIM "PAD 35X45OV" at 438.15,343.408 h1.02 r180; SYMB_DIM "SM  43X53OV" at 438.15,345.313 h1.02 r180; SYMB_DIM "SP  35X45OV" at 438.15,347.091 h1.02 r180; SYMB_DIM "C603-35X45" at 438.404,334.518 h1.02 r180; SYMB_DIM "0" at 441.706,341.757 h1.02 r180; SYMB_DIM "0" at 438.658,338.836 h1.02 r180; ASSEMBLY_BOTTOM "2.2uF" at 441.706,338.709 h1.02 r180; ASSEMBLY_BOTTOM "X" at 442.595,338.709 h1.02 r180; ASSEMBLY_BOTTOM "X" at 443.484,338.582 h1.02 r180
C244: PIN_NUMBER "1" at 441.046,337.82 h1.02; PIN_NUMBER "2" at 444.094,337.82 h1.02; Top Overlay "+" at 441.071,336.042 h0.89; ASSEMBLY_TOP "10uF" at 442.087,337.439 h1.02; ASSEMBLY_TOP "X" at 442.976,337.439 h1.02; ASSEMBLY_TOP "X" at 443.992,337.439 h1.02; ASSEMBLY_TOP "+" at 440.055,337.439 h1.02; SYMB_DIM "PAD 40X70OV" at 441.3,332.105 h1.02; SYMB_DIM "SM  48X78" at 440.842,330.2 h1.02; SYMB_DIM "SP  40X70OV" at 441.3,328.295 h1.02; SYMB_DIM "C1206-40X70" at 441.046,343.027 h1.02; SYMB_DIM "0" at 442.341,334.01 h1.02; SYMB_DIM "0" at 438.531,337.185 h1.02
C245: PIN_NUMBER "1" at 441.173,336.677 h0.51 r180; PIN_NUMBER "2" at 442.697,336.677 h0.51 r180; SYMB_DIM "PAD 35X45OV" at 438.15,341.503 h1.02 r180; SYMB_DIM "SM  43X53OV" at 438.15,343.408 h1.02 r180; SYMB_DIM "SP  35X45OV" at 438.15,345.186 h1.02 r180; SYMB_DIM "C603-35X45" at 438.404,332.613 h1.02 r180; SYMB_DIM "0" at 441.706,339.852 h1.02 r180; SYMB_DIM "0" at 438.658,336.931 h1.02 r180; ASSEMBLY_BOTTOM "2.2uF" at 441.706,336.804 h1.02 r180; ASSEMBLY_BOTTOM "X" at 442.595,336.804 h1.02 r180; ASSEMBLY_BOTTOM "X" at 443.484,336.677 h1.02 r180
C246: PIN_NUMBER "1" at 443.281,347.345 h0.51 r270; PIN_NUMBER "2" at 443.281,348.361 h0.51 r270; ASSEMBLY_BOTTOM "0.1uF" at 443.484,347.853 h0.64 r270; ASSEMBLY_BOTTOM "TOLERANCE" at 440.944,347.853 h0.64 r270; ASSEMBLY_BOTTOM "USERPART#" at 439.674,347.853 h0.64 r270; SYMBOL_PART_DIM "PAD 35X32 OV" at 438.709,344.729 h0.64 r270; SYMBOL_PART_DIM "C402-35X32" at 439.979,344.729 h0.64 r270; SYMBOL_PART_DIM "0" at 441.35,347.65 h0.64 r270; SYMBOL_PART_DIM "0" at 443.154,345.516 h0.64 r270
C247: PIN_NUMBER "1" at 410.515,330.073 h0.51 r180; PIN_NUMBER "2" at 409.499,330.073 h0.51 r180; ASSEMBLY_TOP "0.1uF" at 410.21,330.073 h0.64 r180; ASSEMBLY_TOP "TOLERANCE" at 410.21,332.613 h0.64 r180; ASSEMBLY_TOP "USERPART#" at 410.21,333.883 h0.64 r180; SYMBOL_PART_DIM "PAD 35X32 OV" at 413.334,334.848 h0.64 r180; SYMBOL_PART_DIM "C402-35X32" at 413.334,333.578 h0.64 r180; SYMBOL_PART_DIM "0" at 410.413,332.207 h0.64 r180; SYMBOL_PART_DIM "0" at 412.547,330.403 h0.64 r180
C248: PIN_NUMBER "1" at 446.329,347.218 h0.51; PIN_NUMBER "2" at 445.313,347.218 h0.51; ASSEMBLY_BOTTOM "0.1uF" at 446.024,347.218 h0.64; ASSEMBLY_BOTTOM "TOLERANCE" at 446.024,344.678 h0.64; ASSEMBLY_BOTTOM "USERPART#" at 446.024,343.408 h0.64; SYMBOL_PART_DIM "PAD 35X32 OV" at 449.148,342.443 h0.64; SYMBOL_PART_DIM "C402-35X32" at 449.148,343.713 h0.64; SYMBOL_PART_DIM "0" at 446.227,345.084 h0.64; SYMBOL_PART_DIM "0" at 448.361,346.888 h0.64
C249: PIN_NUMBER "1" at 407.34,330.073 h0.51 r180; PIN_NUMBER "2" at 406.324,330.073 h0.51 r180; ASSEMBLY_TOP "0.1uF" at 407.035,330.073 h0.64 r180; ASSEMBLY_TOP "TOLERANCE" at 407.035,332.613 h0.64 r180; ASSEMBLY_TOP "USERPART#" at 407.035,333.883 h0.64 r180; SYMBOL_PART_DIM "PAD 35X32 OV" at 410.159,334.848 h0.64 r180; SYMBOL_PART_DIM "C402-35X32" at 410.159,333.578 h0.64 r180; SYMBOL_PART_DIM "0" at 407.238,332.207 h0.64 r180; SYMBOL_PART_DIM "0" at 409.372,330.403 h0.64 r180
C250: PIN_NUMBER "1" at 426.136,345.313 h0.51 r180; PIN_NUMBER "2" at 427.152,345.313 h0.51 r180; ASSEMBLY_BOTTOM "0.1uF" at 426.847,345.313 h0.64 r180; ASSEMBLY_BOTTOM "TOLERANCE" at 426.847,347.853 h0.64 r180; ASSEMBLY_BOTTOM "USERPART#" at 426.847,349.123 h0.64 r180; SYMBOL_PART_DIM "PAD 35X32 OV" at 423.723,350.088 h0.64 r180; SYMBOL_PART_DIM "C402-35X32" at 423.723,348.818 h0.64 r180; SYMBOL_PART_DIM "0" at 426.644,347.447 h0.64 r180; SYMBOL_PART_DIM "0" at 424.51,345.643 h0.64 r180
C251: PIN_NUMBER "1" at 405.435,326.39 h0.51 r90; PIN_NUMBER "2" at 405.435,325.374 h0.51 r90; ASSEMBLY_BOTTOM "0.1uF" at 405.638,325.882 h0.64 r90; ASSEMBLY_BOTTOM "TOLERANCE" at 408.178,325.882 h0.64 r90; ASSEMBLY_BOTTOM "USERPART#" at 409.448,325.882 h0.64 r90; SYMBOL_PART_DIM "PAD 35X32 OV" at 410.413,329.006 h0.64 r90; SYMBOL_PART_DIM "C402-35X32" at 409.143,329.006 h0.64 r90; SYMBOL_PART_DIM "0" at 407.772,326.085 h0.64 r90; SYMBOL_PART_DIM "0" at 405.968,328.219 h0.64 r90
C252: PIN_NUMBER "1" at 424.231,345.313 h0.51 r270; PIN_NUMBER "2" at 424.231,346.329 h0.51 r270; ASSEMBLY_BOTTOM "0.1uF" at 424.434,345.821 h0.64 r270; ASSEMBLY_BOTTOM "TOLERANCE" at 421.894,345.821 h0.64 r270; ASSEMBLY_BOTTOM "USERPART#" at 420.624,345.821 h0.64 r270; SYMBOL_PART_DIM "PAD 35X32 OV" at 419.659,342.697 h0.64 r270; SYMBOL_PART_DIM "C402-35X32" at 420.929,342.697 h0.64 r270; SYMBOL_PART_DIM "0" at 422.3,345.618 h0.64 r270; SYMBOL_PART_DIM "0" at 424.104,343.484 h0.64 r270
C253: PIN_NUMBER "1" at 448.996,343.535 h0.51 r270; PIN_NUMBER "2" at 448.996,344.551 h0.51 r270; ASSEMBLY_BOTTOM "0.1uF" at 449.199,344.043 h0.64 r270; ASSEMBLY_BOTTOM "TOLERANCE" at 446.659,344.043 h0.64 r270; ASSEMBLY_BOTTOM "USERPART#" at 445.389,344.043 h0.64 r270; SYMBOL_PART_DIM "PAD 35X32 OV" at 444.424,340.919 h0.64 r270; SYMBOL_PART_DIM "C402-35X32" at 445.694,340.919 h0.64 r270; SYMBOL_PART_DIM "0" at 447.065,343.84 h0.64 r270; SYMBOL_PART_DIM "0" at 448.869,341.706 h0.64 r270
C254: PIN_NUMBER "1" at 452.044,343.408 h0.51; PIN_NUMBER "2" at 451.028,343.408 h0.51; ASSEMBLY_BOTTOM "0.1uF" at 451.739,343.408 h0.64; ASSEMBLY_BOTTOM "TOLERANCE" at 451.739,340.868 h0.64; ASSEMBLY_BOTTOM "USERPART#" at 451.739,339.598 h0.64; SYMBOL_PART_DIM "PAD 35X32 OV" at 454.863,338.633 h0.64; SYMBOL_PART_DIM "C402-35X32" at 454.863,339.903 h0.64; SYMBOL_PART_DIM "0" at 451.942,341.274 h0.64; SYMBOL_PART_DIM "0" at 454.076,343.078 h0.64
C255: PIN_NUMBER "1" at 403.022,323.215 h0.51 r270; PIN_NUMBER "2" at 403.022,324.231 h0.51 r270; ASSEMBLY_BOTTOM "TOLERANCE" at 400.685,323.723 h0.64 r270; ASSEMBLY_BOTTOM "USERPART#" at 399.415,323.723 h0.64 r270; SYMBOL_PART_DIM "PAD 35X32 OV" at 398.45,320.599 h0.64 r270; SYMBOL_PART_DIM "C402-35X32" at 399.72,320.599 h0.64 r270; SYMBOL_PART_DIM "0" at 401.091,323.52 h0.64 r270; SYMBOL_PART_DIM "0" at 402.895,321.386 h0.64 r270
C256: PIN_NUMBER "1" at 409.372,323.215 h0.51 r270; PIN_NUMBER "2" at 409.372,324.231 h0.51 r270; ASSEMBLY_BOTTOM "0.1uF" at 409.575,323.723 h0.64 r270; ASSEMBLY_BOTTOM "TOLERANCE" at 407.035,323.723 h0.64 r270; ASSEMBLY_BOTTOM "USERPART#" at 405.765,323.723 h0.64 r270; SYMBOL_PART_DIM "PAD 35X32 OV" at 404.8,320.599 h0.64 r270; SYMBOL_PART_DIM "C402-35X32" at 406.07,320.599 h0.64 r270; SYMBOL_PART_DIM "0" at 407.441,323.52 h0.64 r270; SYMBOL_PART_DIM "0" at 409.245,321.386 h0.64 r270
C257: PIN_NUMBER "1" at 406.197,323.215 h0.51 r270; PIN_NUMBER "2" at 406.197,324.231 h0.51 r270; ASSEMBLY_BOTTOM "0.1uF" at 406.4,323.723 h0.64 r270; ASSEMBLY_BOTTOM "TOLERANCE" at 403.86,323.723 h0.64 r270; ASSEMBLY_BOTTOM "USERPART#" at 402.59,323.723 h0.64 r270; SYMBOL_PART_DIM "PAD 35X32 OV" at 401.625,320.599 h0.64 r270; SYMBOL_PART_DIM "C402-35X32" at 402.895,320.599 h0.64 r270; SYMBOL_PART_DIM "0" at 404.266,323.52 h0.64 r270; SYMBOL_PART_DIM "0" at 406.07,321.386 h0.64 r270
C258: PIN_NUMBER "1" at 410.642,324.231 h0.51 r90; PIN_NUMBER "2" at 410.642,323.215 h0.51 r90; ASSEMBLY_BOTTOM "1uF" at 410.845,323.723 h0.64 r90; ASSEMBLY_BOTTOM "TOLERANCE" at 413.385,323.723 h0.64 r90; ASSEMBLY_BOTTOM "USERPART#" at 414.655,323.723 h0.64 r90; SYMBOL_PART_DIM "PAD 35X32 OV" at 415.62,326.847 h0.64 r90; SYMBOL_PART_DIM "C402-35X32" at 414.35,326.847 h0.64 r90; SYMBOL_PART_DIM "0" at 412.979,323.926 h0.64 r90; SYMBOL_PART_DIM "0" at 411.175,326.06 h0.64 r90
C259: PIN_NUMBER "1" at 433.553,352.298 h1.02 r90; PIN_NUMBER "2" at 434.823,360.553 h1.02 r90; ASSEMBLY_TOP "47uF" at 436.372,354.33 h1.02 r90; ASSEMBLY_TOP "X" at 436.372,355.473 h1.02 r90; ASSEMBLY_TOP "X" at 436.372,356.743 h1.02 r90; SYMB_DIM "PAD 84X118REC" at 442.214,349.758 h1.02 r90; SYMB_DIM "SM  92X126REC" at 444.119,349.758 h1.02 r90; SYMB_DIM "SP  84X118REC" at 446.024,349.758 h1.02 r90; SYMB_DIM "C7343-84X118" at 424.434,349.758 h1.02 r90; SYMB_DIM "0" at 440.182,356.87 h1.02 r90; SYMB_DIM "0" at 435.102,349.631 h1.02 r90
C260: PIN_NUMBER "1" at 421.234,326.263 h1.02; PIN_NUMBER "2" at 424.282,326.263 h1.02; Top Overlay "+" at 419.989,326.136 h0.89; ASSEMBLY_TOP "10uF" at 422.275,325.882 h1.02; ASSEMBLY_TOP "X" at 423.164,325.882 h1.02; ASSEMBLY_TOP "X" at 424.18,325.882 h1.02; ASSEMBLY_TOP "+" at 420.243,325.882 h1.02; SYMB_DIM "PAD 40X70OV" at 421.488,320.548 h1.02; SYMB_DIM "SM  48X78" at 421.03,318.643 h1.02; SYMB_DIM "SP  40X70OV" at 421.488,316.738 h1.02; SYMB_DIM "C1206-40X70" at 421.234,331.47 h1.02; SYMB_DIM "0" at 422.529,322.453 h1.02; SYMB_DIM "0" at 418.719,325.628 h1.02
C261: PIN_NUMBER "1" at 426.136,329.946 h0.51 r270; PIN_NUMBER "2" at 426.136,328.93 h0.51 r270; ASSEMBLY_TOP "5.6pF" at 426.339,329.438 h0.64 r270; ASSEMBLY_TOP "TOLERANCE" at 423.799,329.438 h0.64 r270; ASSEMBLY_TOP "USERPART#" at 422.529,329.438 h0.64 r270; SYMBOL_PART_DIM "PAD 35X32 OV" at 421.564,332.562 h0.64 r270; SYMBOL_PART_DIM "C402-35X32" at 422.834,332.562 h0.64 r270; SYMBOL_PART_DIM "0" at 424.205,329.641 h0.64 r270; SYMBOL_PART_DIM "0" at 426.009,331.775 h0.64 r270
C262: PIN_NUMBER "1" at 422.758,336.169 h1.02 r90; PIN_NUMBER "2" at 422.758,339.217 h1.02 r90; Top Overlay "+" at 424.815,336.042 h0.89 r90; ASSEMBLY_TOP "10uF" at 423.545,336.804 h1.02 r90; ASSEMBLY_TOP "X" at 423.545,337.693 h1.02 r90; ASSEMBLY_TOP "X" at 423.545,338.709 h1.02 r90; ASSEMBLY_TOP "+" at 423.545,334.772 h1.02 r90; SYMB_DIM "PAD 40X70OV" at 424.409,340.487 h1.02 r90; SYMB_DIM "SM  48X78" at 427.126,339.217 h1.02 r90; SYMB_DIM "SP  40X70OV" at 428.219,340.487 h1.02 r90; SYMB_DIM "C1206-40X70" at 413.487,340.233 h1.02 r90; SYMB_DIM "0" at 426.974,337.058 h1.02 r90; SYMB_DIM "0" at 423.799,333.248 h1.02 r90
C263: PIN_NUMBER "1" at 285.986,377.241 h0.51 r180; PIN_NUMBER "2" at 287.002,377.241 h0.51 r180; ASSEMBLY_BOTTOM "0.1uF" at 286.697,377.241 h0.64 r180; ASSEMBLY_BOTTOM "TOLERANCE" at 286.697,379.781 h0.64 r180; ASSEMBLY_BOTTOM "USERPART#" at 286.697,381.051 h0.64 r180; SYMBOL_PART_DIM "PAD 35X32 OV" at 283.573,382.016 h0.64 r180; SYMBOL_PART_DIM "C402-35X32" at 283.573,380.746 h0.64 r180; SYMBOL_PART_DIM "0" at 286.494,379.374 h0.64 r180; SYMBOL_PART_DIM "0" at 284.361,377.571 h0.64 r180
C264: PIN_NUMBER "1" at 274.625,375.92 h0.51; PIN_NUMBER "2" at 273.609,375.92 h0.51; ASSEMBLY_BOTTOM "0.1uF" at 274.32,375.92 h0.64; ASSEMBLY_BOTTOM "TOLERANCE" at 274.32,373.38 h0.64; ASSEMBLY_BOTTOM "USERPART#" at 274.32,372.11 h0.64; SYMBOL_PART_DIM "PAD 35X32 OV" at 277.444,371.145 h0.64; SYMBOL_PART_DIM "C402-35X32" at 277.444,372.415 h0.64; SYMBOL_PART_DIM "0" at 274.523,373.786 h0.64; SYMBOL_PART_DIM "0" at 276.657,375.59 h0.64
C265: PIN_NUMBER "1" at 343.713,309.499 h0.51 r180; PIN_NUMBER "2" at 344.729,309.499 h0.51 r180; ASSEMBLY_BOTTOM "0.1uF" at 344.424,309.499 h0.64 r180; ASSEMBLY_BOTTOM "TOLERANCE" at 344.424,312.039 h0.64 r180; ASSEMBLY_BOTTOM "USERPART#" at 344.424,313.309 h0.64 r180; SYMBOL_PART_DIM "PAD 35X32 OV" at 341.3,314.274 h0.64 r180; SYMBOL_PART_DIM "C402-35X32" at 341.3,313.004 h0.64 r180; SYMBOL_PART_DIM "0" at 344.221,311.633 h0.64 r180; SYMBOL_PART_DIM "0" at 342.087,309.829 h0.64 r180
C266: PIN_NUMBER "1" at 259.131,345.44 h0.51 r270; PIN_NUMBER "2" at 259.131,346.456 h0.51 r270; ASSEMBLY_BOTTOM "TOLERANCE" at 256.794,345.948 h0.64 r270; ASSEMBLY_BOTTOM "USERPART#" at 255.524,345.948 h0.64 r270; SYMBOL_PART_DIM "PAD 35X32 OV" at 254.559,342.824 h0.64 r270; SYMBOL_PART_DIM "C402-35X32" at 255.829,342.824 h0.64 r270; SYMBOL_PART_DIM "0" at 257.2,345.745 h0.64 r270; SYMBOL_PART_DIM "0" at 259.004,343.611 h0.64 r270
C267: PIN_NUMBER "1" at 437.566,341.63 h0.51 r90; PIN_NUMBER "2" at 437.566,342.646 h0.51 r90; ASSEMBLY_TOP "NO-POP" at 437.769,342.138 h0.64 r90; ASSEMBLY_TOP "TOLERANCE" at 440.309,342.138 h0.64 r90; ASSEMBLY_TOP "USERPART#" at 441.579,342.138 h0.64 r90; SYMBOL_PART_DIM "PAD 35X32 OV" at 442.544,339.014 h0.64 r90; SYMBOL_PART_DIM "C402-35X32" at 441.274,339.014 h0.64 r90; SYMBOL_PART_DIM "0" at 439.903,341.935 h0.64 r90; SYMBOL_PART_DIM "0" at 438.099,339.801 h0.64 r90
C268: PIN_NUMBER "1" at 436.296,341.63 h0.51 r90; PIN_NUMBER "2" at 436.296,342.646 h0.51 r90; ASSEMBLY_TOP "0.1uF" at 436.499,342.138 h0.64 r90; ASSEMBLY_TOP "TOLERANCE" at 439.039,342.138 h0.64 r90; ASSEMBLY_TOP "USERPART#" at 440.309,342.138 h0.64 r90; SYMBOL_PART_DIM "PAD 35X32 OV" at 441.274,339.014 h0.64 r90; SYMBOL_PART_DIM "C402-35X32" at 440.004,339.014 h0.64 r90; SYMBOL_PART_DIM "0" at 438.633,341.935 h0.64 r90; SYMBOL_PART_DIM "0" at 436.829,339.801 h0.64 r90
C269: PIN_NUMBER "1" at 435.026,341.63 h0.51 r90; PIN_NUMBER "2" at 435.026,342.646 h0.51 r90; ASSEMBLY_TOP "0.1uF" at 435.229,342.138 h0.64 r90; ASSEMBLY_TOP "TOLERANCE" at 437.769,342.138 h0.64 r90; ASSEMBLY_TOP "USERPART#" at 439.039,342.138 h0.64 r90; SYMBOL_PART_DIM "PAD 35X32 OV" at 440.004,339.014 h0.64 r90; SYMBOL_PART_DIM "C402-35X32" at 438.734,339.014 h0.64 r90; SYMBOL_PART_DIM "0" at 437.363,341.935 h0.64 r90; SYMBOL_PART_DIM "0" at 435.559,339.801 h0.64 r90
C270: PIN_NUMBER "2" at 264.211,389.001 h0.51 r270; PIN_NUMBER "1" at 264.211,387.985 h0.51 r270; ASSEMBLY_BOTTOM "TOLERANCE" at 261.874,388.493 h0.64 r270; ASSEMBLY_BOTTOM "USERPART#" at 260.604,388.493 h0.64 r270; SYMBOL_PART_DIM "PAD 35X32 OV" at 259.639,385.369 h0.64 r270; SYMBOL_PART_DIM "C402-35X32" at 260.909,385.369 h0.64 r270; SYMBOL_PART_DIM "0" at 262.28,388.29 h0.64 r270; SYMBOL_PART_DIM "0" at 264.084,386.156 h0.64 r270
C271: PIN_NUMBER "2" at 282.372,389.128 h0.51 r270; PIN_NUMBER "1" at 282.372,388.112 h0.51 r270; ASSEMBLY_BOTTOM "TOLERANCE" at 280.035,388.62 h0.64 r270; ASSEMBLY_BOTTOM "USERPART#" at 278.765,388.62 h0.64 r270; SYMBOL_PART_DIM "PAD 35X32 OV" at 277.8,385.496 h0.64 r270; SYMBOL_PART_DIM "C402-35X32" at 279.07,385.496 h0.64 r270; SYMBOL_PART_DIM "0" at 280.441,388.417 h0.64 r270; SYMBOL_PART_DIM "0" at 282.245,386.283 h0.64 r270